# Altium PCB Prototipo1A.PcbDoc (part 1 of 2)
Units mm, origin at the board's own origin, x right, y up, seen from the top; angles counter-clockwise.
Board outline 128.52 x 74.33 mm, 2 copper layers (Top Layer, Bottom Layer); 128 components, 155 nets, 643 pads, 81 vias.
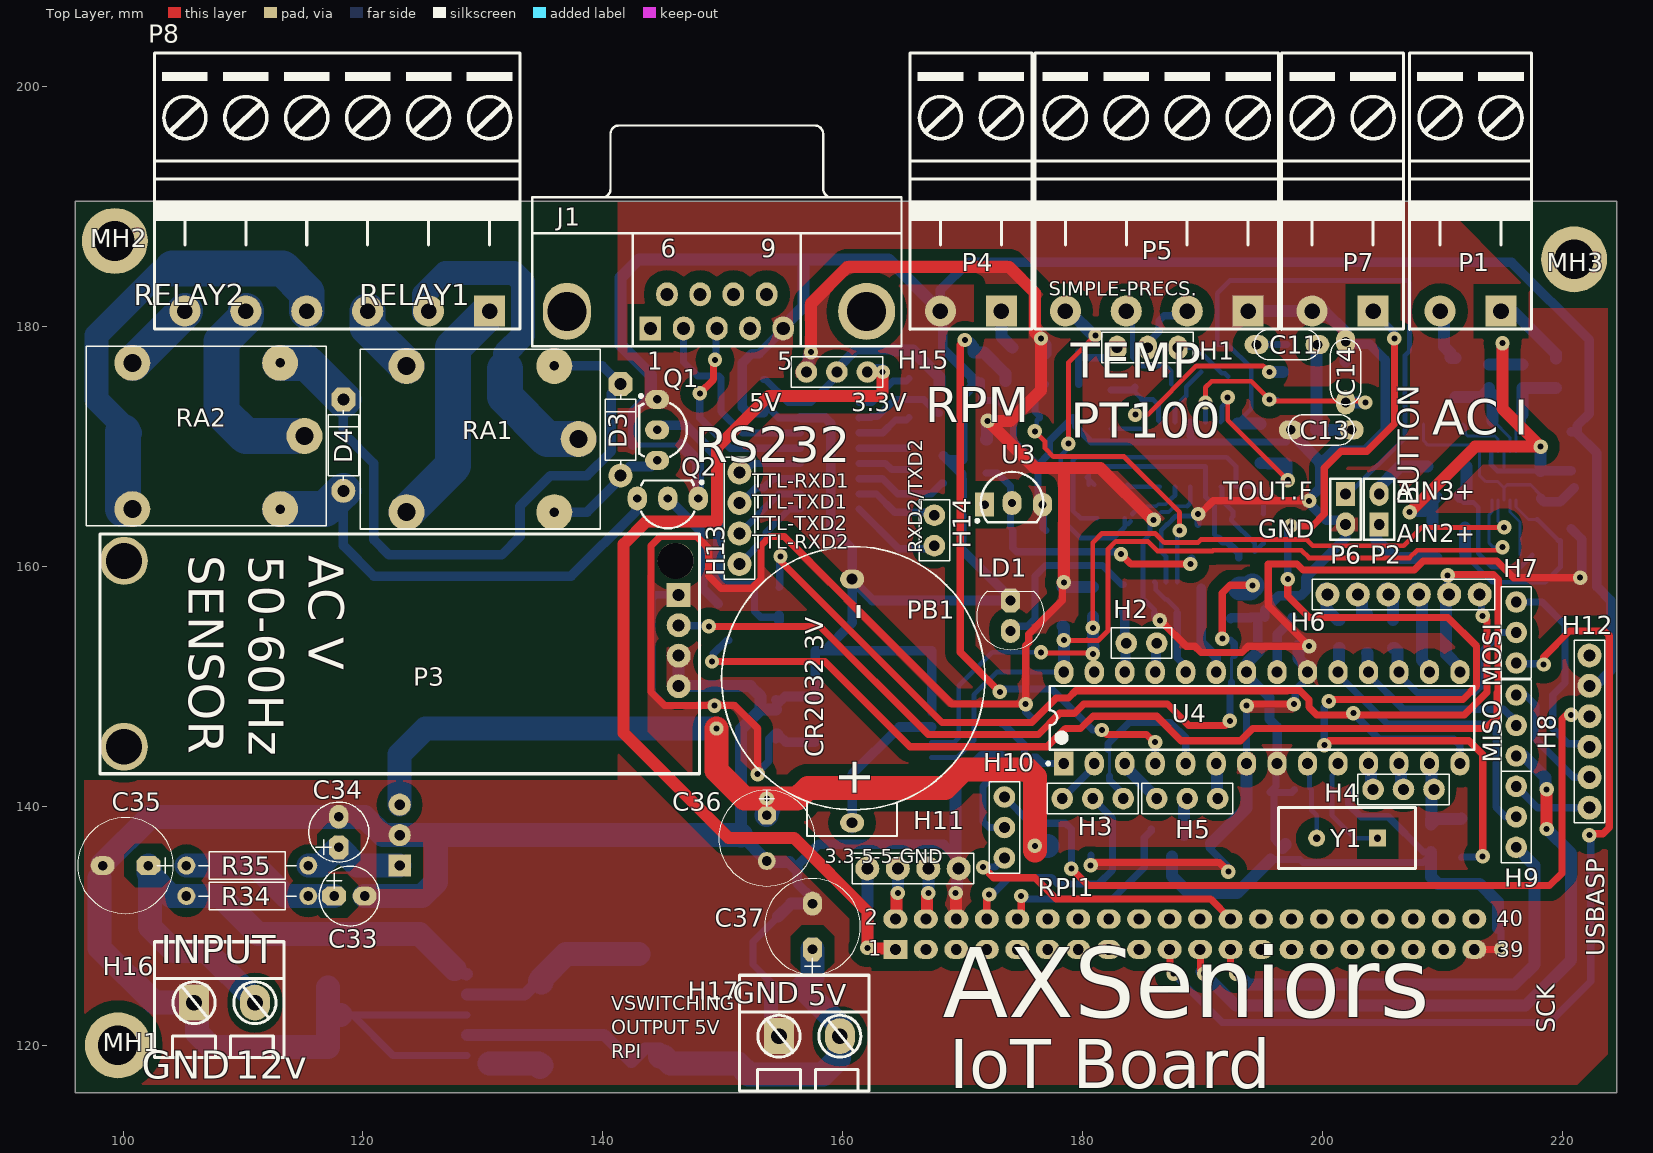
[diagram p0: Top Layer view]
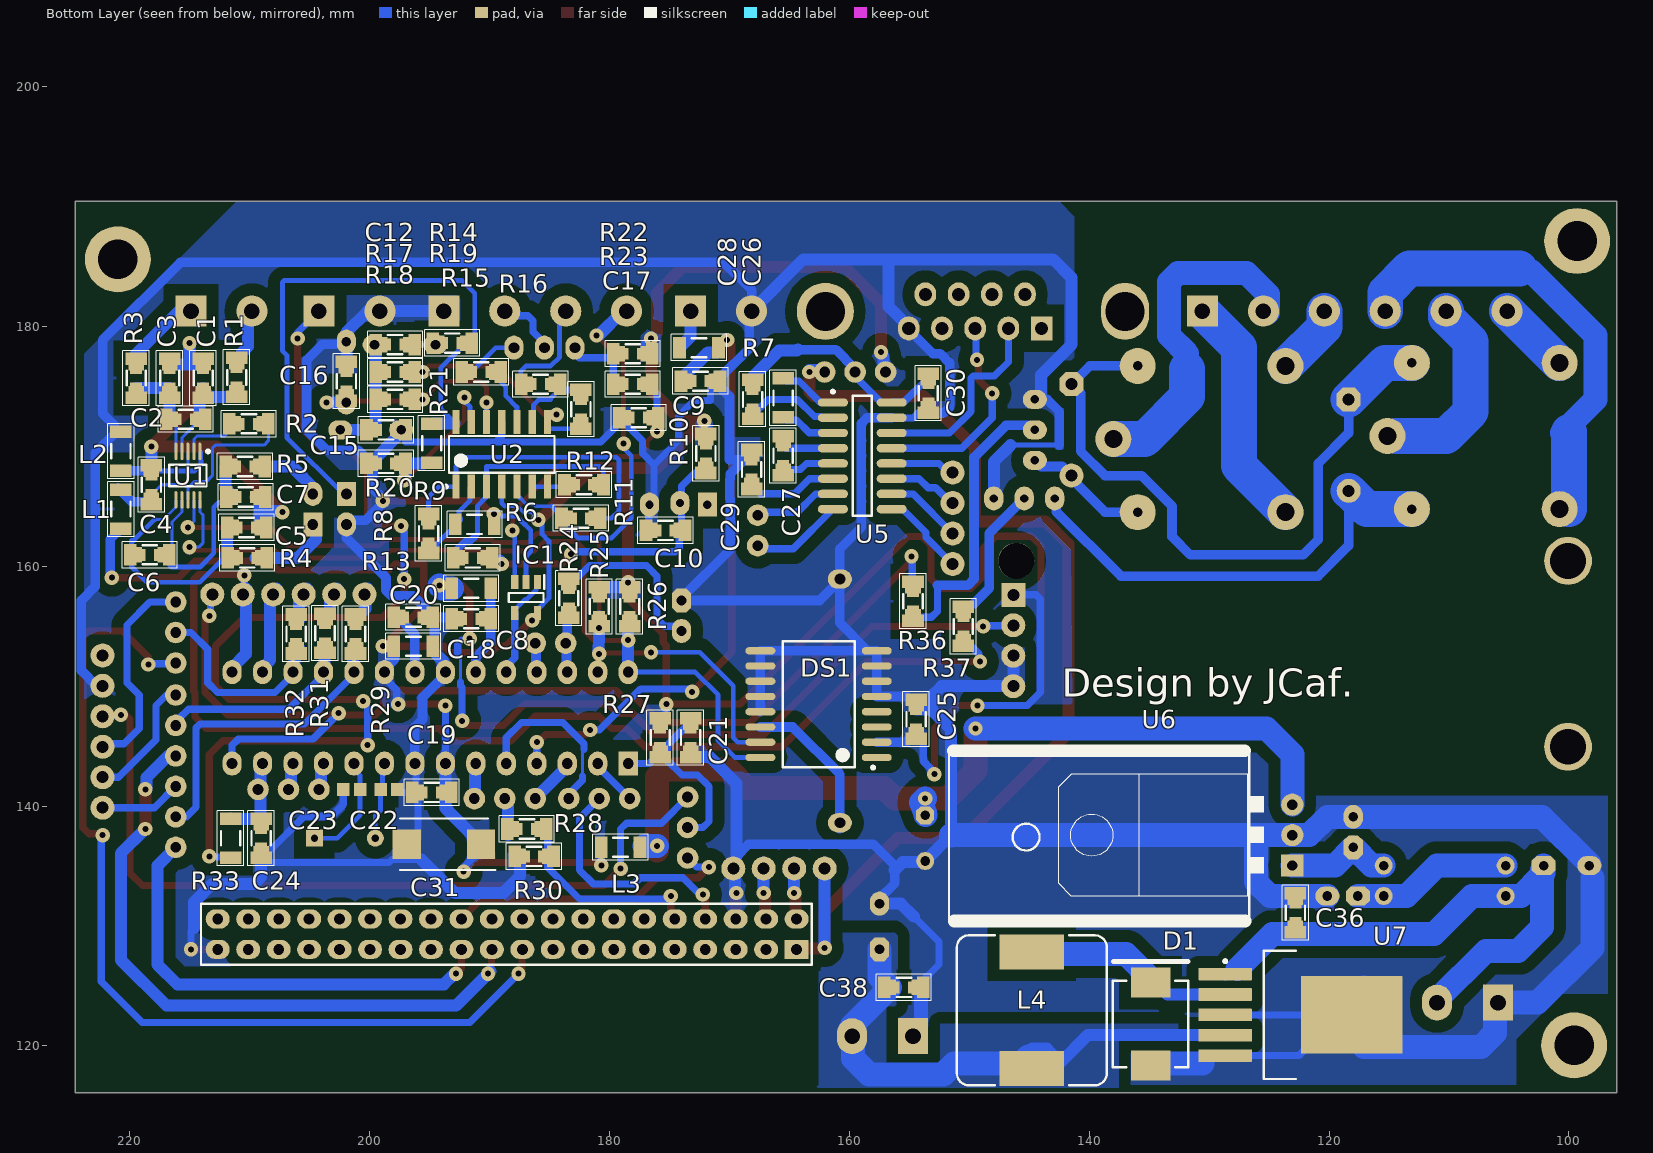
[diagram p1: Bottom Layer view, seen from below]

## Layer stack, top to bottom
Top Solder: solder mask 0.0102, Solder Resist, Dk 3.5
Top Layer: signal copper 0.0356
Dielectric 1: dielectric 0.32, FR-4, Dk 4.8
Bottom Layer: signal copper 0.0356
Bottom Solder: solder mask 0.0102, Solder Resist, Dk 3.5

## Board outline
96.012,116.078 96.012,190.408 224.536,190.408 224.536,116.078

## Design rules (kind name [scope] priority, off if disabled: settings)
Clearance [InPolygon] p1: gap=1 ignorepadtopadclearanceinfootprint=FALSE
Clearance Clearance_1 [All] p2: gap=0.254 ignorepadtopadclearanceinfootprint=FALSE
Clearance "Schematic Clearance Constraint" [InNet('+5RPI')] p3: gap=0.3 ignorepadtopadclearanceinfootprint=FALSE
PolygonConnect [All] p1: connectstyle=Direct reliefconductorwidth=0.254 reliefentries=4 polygonreliefangle="90 Angle" airgapwidth=0.254
RoomDefinition uController [InComponentClass('uController')] p1: confinementstyle=ConfineIn formatcopy=TRUE lockcomponents=FALSE outline 191.643,274.99 457.708,274.99 457.708,333.156 191.643,333.156
RoomDefinition SensorTemperatura [InComponentClass('SensorTemperatura')] p2: confinementstyle=ConfineIn formatcopy=TRUE lockcomponents=FALSE outline 209.423,232.191 401.193,232.191 401.193,258.353 209.423,258.353
RoomDefinition Sensores [InComponentClass('Sensores')] p3: confinementstyle=ConfineIn formatcopy=TRUE lockcomponents=FALSE outline 200.787,189.9 347.345,189.9 347.345,216.062 200.787,216.062
RoomDefinition Relay [InComponentClass('Relay')] p4: confinementstyle=ConfineIn formatcopy=TRUE lockcomponents=FALSE outline 37.465,264.894 125.984,264.894 125.984,299.692 37.465,299.692
RoomDefinition PowerSupply [InComponentClass('PowerSupply')] p5: confinementstyle=ConfineIn formatcopy=TRUE lockcomponents=FALSE outline 101.163,116.164 149.071,116.164 149.071,139.708 101.163,139.708
RoomDefinition MAX3232 [InComponentClass('MAX3232')] p6: confinementstyle=ConfineIn formatcopy=TRUE lockcomponents=FALSE outline 26.416,155.61 71.12,155.61 71.12,190.916 26.416,190.916
RoutingVias [All] p1: holewidth=0.5 width=1.2 viastyle="Through Hole" minholewidth=0.5 minwidth=1.2 maxholewidth=0.5 maxwidth=1.2
SolderMaskExpansion [All] p1: expansion=0.202
Width "Schematic Width Constraint_1" [InNet('+5RPI')] p1: maxlimit=3 minlimit=0.254 preferedwidth=2
Width "Schematic Width Constraint" [InNet('+12')] p2: maxlimit=2 minlimit=0.254 preferedwidth=1
Width [All] p3: maxlimit=2 minlimit=0.254 preferedwidth=1
30 further rules are at their usual default settings.

## Classes and differential pairs
component class uController: C18 C19 C20 C21 C22 C23 C24 C25 DS1 H2 H3 H4 H5 H6 H7 H8 H9 H10 H11 H12 LD1 MH1 MH2 MH3 P7 PB1 R24 R25 R26 R27 R28 R29 R30 R31 R32 R33 RPI1 U4 Y1
component class SensorTemperatura: C10 C11 C12 C13 C14 C15 C16 C17 H1 IC1 P5 P6 R8 R9 R10 R11 R12 R13 R14 R15 R16 R17 R18 R19 R20 R21 R22 R23 U2 U3
component class Sensores: C1 C2 C3 C4 C5 C6 C7 C8 C9 L1 L2 P1 P2 P3 P4 R1 R2 R3 R4 R5 R6 R7 U1
component class Relay: D3 D4 P8 Q1 Q2 R36 R37 RA1 RA2
component class PowerSupply: C31 C33 C34 C35 C36 C37 C38 D1 H16 H17 L3 L4 R34 R35 U6 U7
component class MAX3232: C26 C27 C28 C29 C30 H13 H14 H15 J1 U5

## Components (designator, comment, footprint, x,y, rotation, side; value= is the part's Value field where it differs from the comment)
C1 "0.01uF" SMD_CHIP_CAP_CER_0603_TO_1206 213.868,175.676 r270 bottom value=0603_1206
C2 "0.22uF" SMD_CHIP_CAP_CER_0603_TO_1206 215.329,172.247 r180 bottom value=0603_1206
C3 "0.01uF" SMD_CHIP_CAP_CER_0603_TO_1206 216.662,175.676 r90 bottom value=0603_1206
C4 "0.1uF" SMD_CHIP_CAP_CER_0603_TO_1206 218.186,166.786 r270 bottom value=0603_1206
C5 "0.01uF" SMD_CHIP_CAP_CER_0603_TO_1206 210.249,163.222 r0 bottom value=0603_1206
C6 "0.22uF" SMD_CHIP_CAP_CER_0603_TO_1206 218.32,160.944 r0 bottom value=0603_1206
C7 "0.01uF" SMD_CHIP_CAP_CER_0603_TO_1206 210.312,165.762 r180 bottom value=0603_1206
C8 "0.1uF" SMD_CHIP_CAP_CER_0603_TO_1206 191.516,155.61 r180 bottom value=0603_1206
C9 "0.1uF" SMD_CHIP_CAP_CER_0603_TO_1206 172.403,175.422 r0 bottom value=0603_1206
C10 "0.1uF" SMD_CHIP_CAP_CER_0603_TO_1206 175.323,162.976 r180 bottom value=0603_1206
C11 "68nF" Cap-Disk-D5.5-R5.08 197.041,178.47 r0 top
C12 "68nF" SMD_CHIP_CAP_CER_0603_TO_1206 197.866,178.47 r180 bottom value=0603_1206
C13 "390nF" Cap-Disk-D5.5-R5.08 199.898,171.358 r180 top
C14 "180nF" Cap-Disk-D5.5-R5.08 201.93,176.184 r90 top
C15 "390nF" SMD_CHIP_CAP_CER_0603_TO_1206 198.628,171.358 r0 bottom value=0603_1206
C16 "180nF" SMD_CHIP_CAP_CER_0603_TO_1206 201.93,175.422 r270 bottom value=0603_1206
C17 "0.1uF" SMD_CHIP_CAP_CER_0603_TO_1206 177.546,172.374 r180 bottom value=0603_1206
C18 "0.1uF" SMD_CHIP_Cap_Cer_1206 196.342,153.324 r0 bottom value=1206
C19 "0.1uF" SMD_CHIP_CAP_CER_0603_TO_1206 194.818,141.132 r0 bottom value=0603_1206
C20 "0.1uF" SMD_CHIP_CAP_CER_0603_TO_1206 196.342,155.737 r180 bottom value=0603_1206
C21 "0.1uF" SMD_CHIP_CAP_CER_0603_TO_1206 173.228,145.704 r90 bottom value=0603_1206
C22 "VJ0603A150FXACW1BC" CAPC1608X95X40ML15T15 198.374,141.386 r0 bottom
C23 "VJ0603A150FXACW1BC" CAPC1608X95X40ML15T15 201.484,141.386 r180 bottom
C24 "0.1uF" SMD_CHIP_CAP_CER_0603_TO_1206 209.042,137.322 r90 bottom value=0603_1206
C25 "0.1uF" SMD_CHIP_CAP_CER_0603_TO_1206 154.432,147.228 r270 bottom value=0603_1206
C26 "0.1uF" SMD_CHIP_Cap_Cer_1206 165.518,174.025 r270 bottom value=1206
C27 "0.1uF" SMD_CHIP_CAP_CER_0603_TO_1206 165.518,169.199 r270 bottom value=0603_1206
C28 "0.1uF" SMD_CHIP_CAP_CER_0603_TO_1206 168.058,173.905 r90 bottom value=0603_1206
C29 "0.1uF" SMD_CHIP_CAP_CER_0603_TO_1206 168.148,168.056 r90 bottom value=0603_1206
C30 "0.1uF" SMD_CHIP_CAP_CER_0603_TO_1206 153.416,174.406 r270 bottom value=0603_1206
C31 "470uF/10V Tant." SMD_2917 193.802,136.814 r0 bottom
C33 "10u" El-d5-h11-F2.54 118.872,132.496 r180 top
C34 "1u" El-d5-h11-F2.54 117.983,137.83 r270 top
C35 "470uF 25V" El-d8-h14-F3.81#1 100.203,135.036 r0 top
C36 "0.022uF" SMD_CHIP_CAP_CER_0603_TO_1206 122.809,131.099 r270 bottom value=0603_1206
C36 "470uF 25V" El-d8-h14-F3.81#2 153.67,137.322 r90 top
C37 "470uF/25V" El-d8-h14-F3.81#1 157.48,129.956 r270 top
C38 "0.22uF" SMD_CHIP_CAP_CER_0603_TO_1206 155.448,124.876 r0 bottom value=0603_1206
D1 "B550C-13-F" DIOD-SMC-2-A_V 134.874,121.828 r90 bottom
D3 "1N5819" DO-41-300 141.478,171.358 r90 top
D4 "1N5819" DO-41-300 118.364,170.088 r90 top
DS1 "DS3231 16-SOIC" SOIC127P1030X265-16N 162.56,148.498 r0 bottom
H1 "RTD2-Wire-Select" J1x3#1 185.42,178.216 r180 top
H2 "H-1x2" J1x2 184.912,153.578 r0 top
H3 "H-1x3" J1x3#2 180.848,140.624 r0 top
H4 "H-1x3" J1x3#2 206.756,141.386 r0 top
H5 "H-1x3" J1x3#2 188.722,140.624 r0 top
H6 "H-1x6" J1x6 206.756,157.642 r180 top
H7 "H-1x3" J1x3#2 216.154,154.467 r90 top
H8 "H-1x3" J1x3#2 216.154,146.72 r90 top
H9 "H-1x3" J1x3#2 216.154,139.1 r90 top
H10 "H-1x3" J1x3#2 173.482,138.211 r90 top
H11 "H-1x4" J1x4 165.862,134.782 r0 top
H12 "H-1x6" J1x6 222.25,146.212 r270 top
H13 "H-1x4" J1x4 151.384,163.992 r90 top
H14 "H-1x2" J1x2 167.64,162.976 r90 top
H15 "H-1x3" J1x3#2 159.512,176.184 r180 top
H16 "MKDS 1,5 2-5,08" "MKDS 1,5 2-5,08" 105.918,123.606 r90 top
H17 "MKDS 1,5 2-5,08" "MKDS 1,5 2-5,08" 154.686,120.812 r90 top
IC1 "LMV321RILT" SOT95P280X145-5N 186.944,157.388 r270 bottom
J1 "D Connector 9" DB9-HEMBRA 149.504,190.741 r0 top
L1 "BLM31PG601SN1L" SMD_CHIP_FERRITE_1206 220.726,164.754 r90 bottom value=1206
L2 "BLM31PG601SN1L" SMD_CHIP_FERRITE_1206 220.726,169.58 r270 bottom value=1206
L3 "FB 1206 600 ohms 100MHZ 600R 1.5A" SMD_CHIP_FERRITE_1206 179.07,136.56 r0 bottom value=1206
L4 "33uH 3.2A 1280" BOUR-SRR1280-2_V 144.78,122.971 r270 bottom
LD1 "Led" "Led d5mm" 173.99,155.864 r90 top
MH1 "MH Pin - 5.5Pad - 3.3drill" "MH Pin - 5.5Pad - 3.3drill" 99.568,120.05 r0 top
MH2 "MH Pin - 5.5Pad - 3.3drill" "MH Pin - 5.5Pad - 3.3drill" 99.314,187.106 r0 top
MH3 "MH Pin - 5.5Pad - 3.3drill" "MH Pin - 5.5Pad - 3.3drill" 220.98,185.582 r0 top
P1 "B.desmont.2Pins" KF2EDGV/R-2P 214.884,181.264 r180 top
P2 "EspadinHembra" HDR1X2 204.724,163.484 r90 top
P3 "ZMPT101B MODULE" ZMPT101B_MODULE 123.201,152.692 r0 top
P4 "B.desmont.2Pins" KF2EDGV/R-2P 173.228,181.264 r180 top
P5 "RTD PT100" KF2EDGV/R-4P 193.802,181.264 r180 top
P6 "RTD_Output" HDR1X2 201.93,166.024 r270 top
P7 "B.desmont.2Pins" KF2EDGV/R-2P 204.216,181.264 r180 top
P8 "Header 6" KF2EDGV/R-6P 130.556,181.264 r180 top
PB1 "CR2032_Holder" CR2032 160.782,149.26 r90 top
Q1 "2N3904" TO-92A-Pitch100MILS 144.526,171.358 r180 top
Q2 "2N3904" TO-92A-Pitch100MILS 145.415,165.643 r90 top
R1 "220 ohm" SMD_CHIP_RESISTOR_0603_TO_1206 211.074,175.739 r90 bottom value=0603_1206
R2 "10K" SMD_CHIP_RESISTOR_0603_TO_1206 210.058,171.866 r0 bottom value=0603_1206
R3 "220 ohm" SMD_CHIP_RESISTOR_0603_TO_1206 219.456,175.676 r90 bottom value=0603_1206
R4 "220 ohm" SMD_CHIP_RESISTOR_0603_TO_1206 210.185,160.69 r180 bottom value=0603_1206
R5 "220 ohm" SMD_CHIP_RESISTOR_0603_TO_1206 210.375,168.31 r180 bottom value=0603_1206
R6 "1K" SMD_CHIP_RESISTOR_1206 191.516,158.15 r0 bottom value=1206
R7 "220 ohm" SMD_CHIP_RESISTOR_1206 172.529,178.216 r0 bottom value=1206
R8 "25K" SMD_CHIP_RESISTOR_0603_TO_1206 195.072,162.722 r270 bottom value=0603_1206
R9 "25K" SMD_CHIP_RESISTOR_1206 191.236,163.484 r180 bottom value=1206
R10 "25K" SMD_CHIP_RESISTOR_0603_TO_1206 171.958,169.389 r90 bottom value=0603_1206
R11 "2.5K" SMD_CHIP_RESISTOR_0603_TO_1206 182.372,163.992 r180 bottom value=0603_1206
R12 "25K" SMD_CHIP_RESISTOR_0603_TO_1206 182.118,166.786 r180 bottom value=0603_1206
R13 "25K" SMD_CHIP_RESISTOR_0603_TO_1206 191.389,160.69 r180 bottom value=0603_1206
R14 "1K" SMD_CHIP_RESISTOR_0603_TO_1206 193.103,178.597 r180 bottom value=0603_1206
R15 "100K" SMD_CHIP_RESISTOR_0603_TO_1206 185.737,175.168 r180 bottom value=0603_1206
R16 "100K" SMD_CHIP_RESISTOR_0603_TO_1206 182.372,173.073 r270 bottom value=0603_1206
R17 "17.4K" SMD_CHIP_RESISTOR_0603_TO_1206 197.866,176.184 r0 bottom value=0603_1206
R18 "107K" SMD_CHIP_RESISTOR_0603_TO_1206 197.866,173.898 r180 bottom value=0603_1206
R19 "49.9K" SMD_CHIP_RESISTOR_0603_TO_1206 190.69,176.184 r180 bottom value=0603_1206
R20 "3.09K" SMD_CHIP_RESISTOR_0603_TO_1206 198.628,168.564 r180 bottom value=0603_1206
R21 "20K" SMD_CHIP_RESISTOR_1206 194.818,170.241 r90 bottom value=1206
R22 "1K" SMD_CHIP_RESISTOR_0603_TO_1206 178.054,177.708 r180 bottom value=0603_1206
R23 "100 Ohm" SMD_CHIP_RESISTOR_0603_TO_1206 178.054,175.168 r0 bottom value=0603_1206
R24 "1K" SMD_CHIP_RESISTOR_0603_TO_1206 183.388,157.325 r90 bottom value=0603_1206
R25 "2.2K" SMD_CHIP_RESISTOR_0603_TO_1206 180.848,156.626 r90 bottom value=0603_1206
R26 "2.2K" SMD_CHIP_RESISTOR_0603_TO_1206 178.308,156.626 r90 bottom value=0603_1206
R27 "10K" SMD_CHIP_RESISTOR_0603_TO_1206 175.768,145.704 r90 bottom value=0603_1206
R28 "1K" SMD_CHIP_RESISTOR_0603_TO_1206 186.881,138.084 r0 bottom value=0603_1206
R29 "1K" SMD_CHIP_RESISTOR_0603_TO_1206 201.168,154.34 r270 bottom value=0603_1206
R30 "2K" SMD_CHIP_RESISTOR_0603_TO_1206 186.283,135.798 r180 bottom value=0603_1206
R31 "1K" SMD_CHIP_RESISTOR_0603_TO_1206 203.708,154.403 r270 bottom value=0603_1206
R32 "1K" SMD_CHIP_RESISTOR_0603_TO_1206 206.121,154.34 r270 bottom value=0603_1206
R33 "220 ohm" SMD_CHIP_RESISTOR_1206 211.582,137.322 r270 bottom value=1206
R34 "1 Ohm" R0.25-400 110.363,132.496 r0 top
R35 "1 Ohm" R0.25-400 110.363,135.036 r0 top
R36 "1K" SMD_CHIP_RESISTOR_0603_TO_1206 154.686,157.07 r90 bottom value=0603_1206
R37 "1K" SMD_CHIP_RESISTOR_0603_TO_1206 150.495,154.975 r270 bottom value=0603_1206
RA1 "RAS" "RELE RAS" 129.794,170.596 r180 top
RA2 "RAS" "RELE RAS" 106.934,170.85 r180 top
RPI1 "RPI GPIO Connector" rpi 188.524,129.313 r180 top
U1 "ADS1115IDGST" TI-DGS10_L 215.138,167.548 r270 bottom
U2 "LMV324IDR" D0014A_V 188.976,169.326 r90 bottom
U3 "LM385Z-2.5/NOPB" Z03A 174.117,165.262 r270 top
U4 "ATmega328P-PU" 28P3 194.945,147.355 r90 top
U5 "MAX3232CSE+T" MAXM-S16+1_M 158.914,169.199 r180 bottom
U6 "7805" "TO 220_DISIPADOR_HORIZONTAL_2" 124.333,135.036 r90 bottom
U7 "LM2596S-5.0/NOPB" KTT0005B_M 122.36,122.59 r180 bottom
Y1 "CRYSTAL_PTH_16MHz" "Crystal PTH HC49LT, THT, 16MHz" 204.597,137.322 r180 top

## Footprints (in the part's own frame and the unit in brackets; to place one, negate y for a bottom-side part, rotate by r counter-clockwise, add the part's x,y. Pads: shape width x height; smd on the part's side, far side on the other; paste and mask are expansions set on the pad)
28P3 [mm] "28-Pin Plastic Dual In-Line Package (PDIP)"
  rect 2x1.6 hole 0.9: 1(-3.81,16.51)
  oval 2x1.6 hole 0.9: 2(-3.81,13.97) 3(-3.81,11.43) 4(-3.81,8.89) 5(-3.81,6.35) 6(-3.81,3.81) 7(-3.81,1.27) 8(-3.81,-1.27) 9(-3.81,-3.81) 10(-3.81,-6.35) 11(-3.81,-8.89) 12(-3.81,-11.43) 13(-3.81,-13.97) 14(-3.81,-16.51) 15(3.81,-16.51) 16(3.81,-13.97) 17(3.81,-11.43) 18(3.81,-8.89) 19(3.81,-6.35) 20(3.81,-3.81) 21(3.81,-1.27) 22(3.81,1.27) 23(3.81,3.81) 24(3.81,6.35) 25(3.81,8.89) 26(3.81,11.43) 27(3.81,13.97) 28(3.81,16.51)
  silkscreen extent -3.93,-17.7 2.65,17.93, body extent -3.6,-17.65 3.6,17.65, height 4.58
BOUR-SRR1280-2_V [mm] "SMD, 2-Leads, Body 12.5x12.5mm"
  rect 2.9x5.4 smd: 1(-4.85,0) 2(4.85,0)
  silkscreen extent -6.25,-6.25 6.25,6.25, body extent -6.25,-6.25 6.25,6.25, height 7.51
Cap-Disk-D5.5-R5.08 [mm]
  oval 2x1.6 hole 0.8: 1(-2.54,0) 2(2.54,0)
  silkscreen extent -2.73,-1.27 2.73,1.27, body extent -2.73,-1.28 2.73,1.28, height 7.62
CAPC1608X95X40ML15T15 [mm] "Chip Capacitor, 2-Leads, Body 1.60x0.80mm, IPC Low Density"
  rect 1.05x1.1 smd: 1(-0.7,0) 2(0.7,0)
  body extent -0.88,-0.48 0.87,0.47, height 0.95
CR2032 [mm] "Zocket"
  oval 1.6x2 hole 0.9: 1(-10.66,0) 2(9.66,0)
  silkscreen extent -11.75,-11.08 12.38,10.88, body extent -11.6,-11 12.9,11, height 8.51
"Crystal PTH HC49LT, THT, 16MHz" [mil] "Low profile TH"
  rect 56x56 hole 23.62: 1(0,0)
  round 56 hole 23.62: 2(200,0)
  silkscreen extent -125,-100 325,100, body extent -121,-92 326,92, height 142
D0014A_V [mm] "SOIC, 14-Leads, Body 8.75x4mm, Pitch 1.27mm"
  rect 2x0.6 smd: 1(-2.7,3.81) 2(-2.7,2.54) 3(-2.7,1.27) 4(-2.7,0) 5(-2.7,-1.27) 6(-2.7,-2.54) 7(-2.7,-3.81) 8(2.7,-3.81) 9(2.7,-2.54) 10(2.7,-1.27) 11(2.7,0) 12(2.7,1.27) 13(2.7,2.54) 14(2.7,3.81)
  silkscreen extent -2.82,-4.4 1.53,4.79, body extent -3,-4.4 3,4.4, height 1.75
DB9-HEMBRA [mm] "Connector; D Subminiature; 9 Position; Right Angle; Pitch 1.385 mm"
  rect 1.8x2 hole 1.09: 1(-5.54,-10.92)
  oval 1.8x2 hole 1.09: 2(-2.77,-10.92) 3(0,-10.92) 4(2.77,-10.92) 5(5.54,-10.92) 6(-4.155,-8.08) 7(-1.385,-8.08) 8(1.385,-8.08) 9(4.155,-8.08)
  oval 4x4.76 hole 3.26: 10(-12.495,-9.5)
  round 4.76 hole 3.26: 11(12.495,-9.5)
  silkscreen extent -15.4,-12.4 15.4,6, body extent -15.44,-12.32 15.37,5.98, height 12.29
DIOD-SMC-2-A_V [mm] "Molded Diode, 2-Leads, Body 7.11 x 6.22 mm"
  rect 2.5x3.3 smd: 1(-3.45,0) 2(3.45,0)
  silkscreen extent -3.6,-3.15 5.2,3.15, body extent -3.78,-3.11 3.77,3.11, height 2.5
DO-41-300 [mm]
  round 2 hole 1: 1(-3.81,0)
  oct 2x2 hole 1: 2(3.81,0)
  silkscreen extent -2.92,-1.27 2.92,1.27, body extent -4.24,-1.36 4.24,1.36, height 2.81
El-d5-h11-F2.54 [mm]
  oct 2x1.6 hole 0.8: 1(1.27,0)
  oval 2x1.6 hole 0.8: 2(-1.27,0)
  silkscreen extent -2.5,-2.5 2.5,2.5, body extent -2.5,-2.5 2.55,2.55, height 11.53
El-d8-h14-F3.81#1 [mm]
  oct 2x1.6 hole 0.8: 1(1.905,0)
  oval 2x1.6 hole 0.8: 2(-1.905,0)
  silkscreen extent -4,-4 4,4, body extent -4,-4 4.05,4.05, height 14.53
El-d8-h14-F3.81#2 [mm]
  oct 1.5x1.5 hole 0.8: 1(1.905,0)
  round 1.5 hole 0.8: 2(-1.905,0)
  silkscreen extent -4,-4 4,4, body extent -4,-4 4.05,4.05, height 14.53
HDR1X2 [mm] "Connector; Header; 2 Position"
  rect 2x1.6 hole 0.9: 1(0,0)
  oval 2x1.6 hole 0.9: 2(2.54,0)
  silkscreen extent -1.27,-1.27 3.81,1.27
J1x2 [mm]
  round 1.8 hole 0.9: 1(-1.27,0) 2(1.27,0)
  silkscreen extent -2.54,-1.27 2.54,1.27, body extent -2.54,-1.27 2.54,1.27, height 10.1
J1x3#1 [mm]
  oval 1.6x2 hole 0.9: 1(-2.54,0) 2(0,0) 3(2.54,0)
  silkscreen extent -3.81,-1.27 3.81,1.27, body extent -3.81,-1.27 3.81,1.27, height 10.1
J1x3#2 [mm]
  round 1.8 hole 0.9: 1(-2.54,0) 2(0,0) 3(2.54,0)
  silkscreen extent -3.81,-1.27 3.81,1.27, body extent -3.81,-1.27 3.81,1.27, height 10.1
J1x4 [mm]
  round 2 hole 1: 1(-3.81,0) 2(-1.27,0) 3(1.27,0) 4(3.81,0)
  silkscreen extent -5.08,-1.27 5.08,1.27, body extent -5.08,-1.27 5.08,1.27, height 10.1
J1x6 [mm]
  round 2 hole 1: 1(-6.35,0) 2(-3.81,0) 3(-1.27,0) 4(1.27,0) 5(3.81,0) 6(6.35,0)
  silkscreen extent -7.62,-1.27 7.62,1.27, body extent -7.62,-1.27 7.62,1.27, height 10.1
KF2EDGV/R-2P [mm]
  rect 2.6x2.6 hole 1.3: 1(0,0)
  round 2.6 hole 1.3: 2(5.08,0)
  silkscreen extent -2.63,-21.5 7.62,1.52, body extent -3.29,-21.59 8.37,-2.39, height 15.01
KF2EDGV/R-4P [mm]
  rect 2.6x2.6 hole 1.3: 1(0,0)
  round 2.6 hole 1.3: 2(5.08,0) 3(10.16,0) 4(15.24,0)
  silkscreen extent -2.63,-21.5 17.87,1.5, body extent -3.29,-21.59 18.53,-2.39, height 15.01
KF2EDGV/R-6P [mm]
  rect 2.6x2.6 hole 1.3: 1(0,0)
  round 2.6 hole 1.3: 2(5.08,0) 3(10.16,0) 4(15.24,0) 5(20.32,0) 6(25.4,0)
  silkscreen extent -2.63,-21.5 27.94,1.5, body extent -3.29,-21.59 28.69,-2.39, height 15.01
KTT0005B_M [mm] "DPAK, 5-Leads, Body 10.65x9.65mm, Pitch 1.7mm, IPC Low Density"
  rrect10% 4.45x1.05 smd: 1(-6.3,3.4) 2(-6.3,1.7) 3(-6.3,0) 4(-6.3,-1.7) 5(-6.3,-3.4)
  rrect2% 8.5x6.45 smd: 6(4.25,0)
  silkscreen extent -6.43,-5.35 -0.4,5.35, body extent -3.1,-5.32 6.55,5.33, height 4.83
"Led d5mm" [mm]
  oval 2x1.6 hole 0.8: 1(-1.27,0)
  oct 2x1.6 hole 0.8: 2(1.27,0)
  silkscreen extent -2.83,-2.82 2.06,2.82, body extent -2.97,-3 2.45,3.02, height 12.31
MAXM-S16+1_M [mm] "SOIC, 16-Leads, Body 9.9x3.9mm, Pitch 1.27mm, IPC Low Density"
  oval 2.5x0.7 smd: 1(-2.45,4.445) 2(-2.45,3.175) 3(-2.45,1.905) 4(-2.45,0.635) 5(-2.45,-0.635) 6(-2.45,-1.905) 7(-2.45,-3.175) 8(-2.45,-4.445) 9(2.45,-4.445) 10(2.45,-3.175) 11(2.45,-1.905) 12(2.45,-0.635) 13(2.45,0.635) 14(2.45,1.905) 15(2.45,3.175) 16(2.45,4.445)
  silkscreen extent -2.58,-5 0.8,5.47, body extent -2,-5 2,5, height 1.75
"MH Pin - 5.5Pad - 3.3drill" [mm] "MH Pin - 5.5Pad - 3.3drill"
  round 5.5 hole 3.3: 1(0,0)